# KiCad board C68.kicad_pcb (continued)
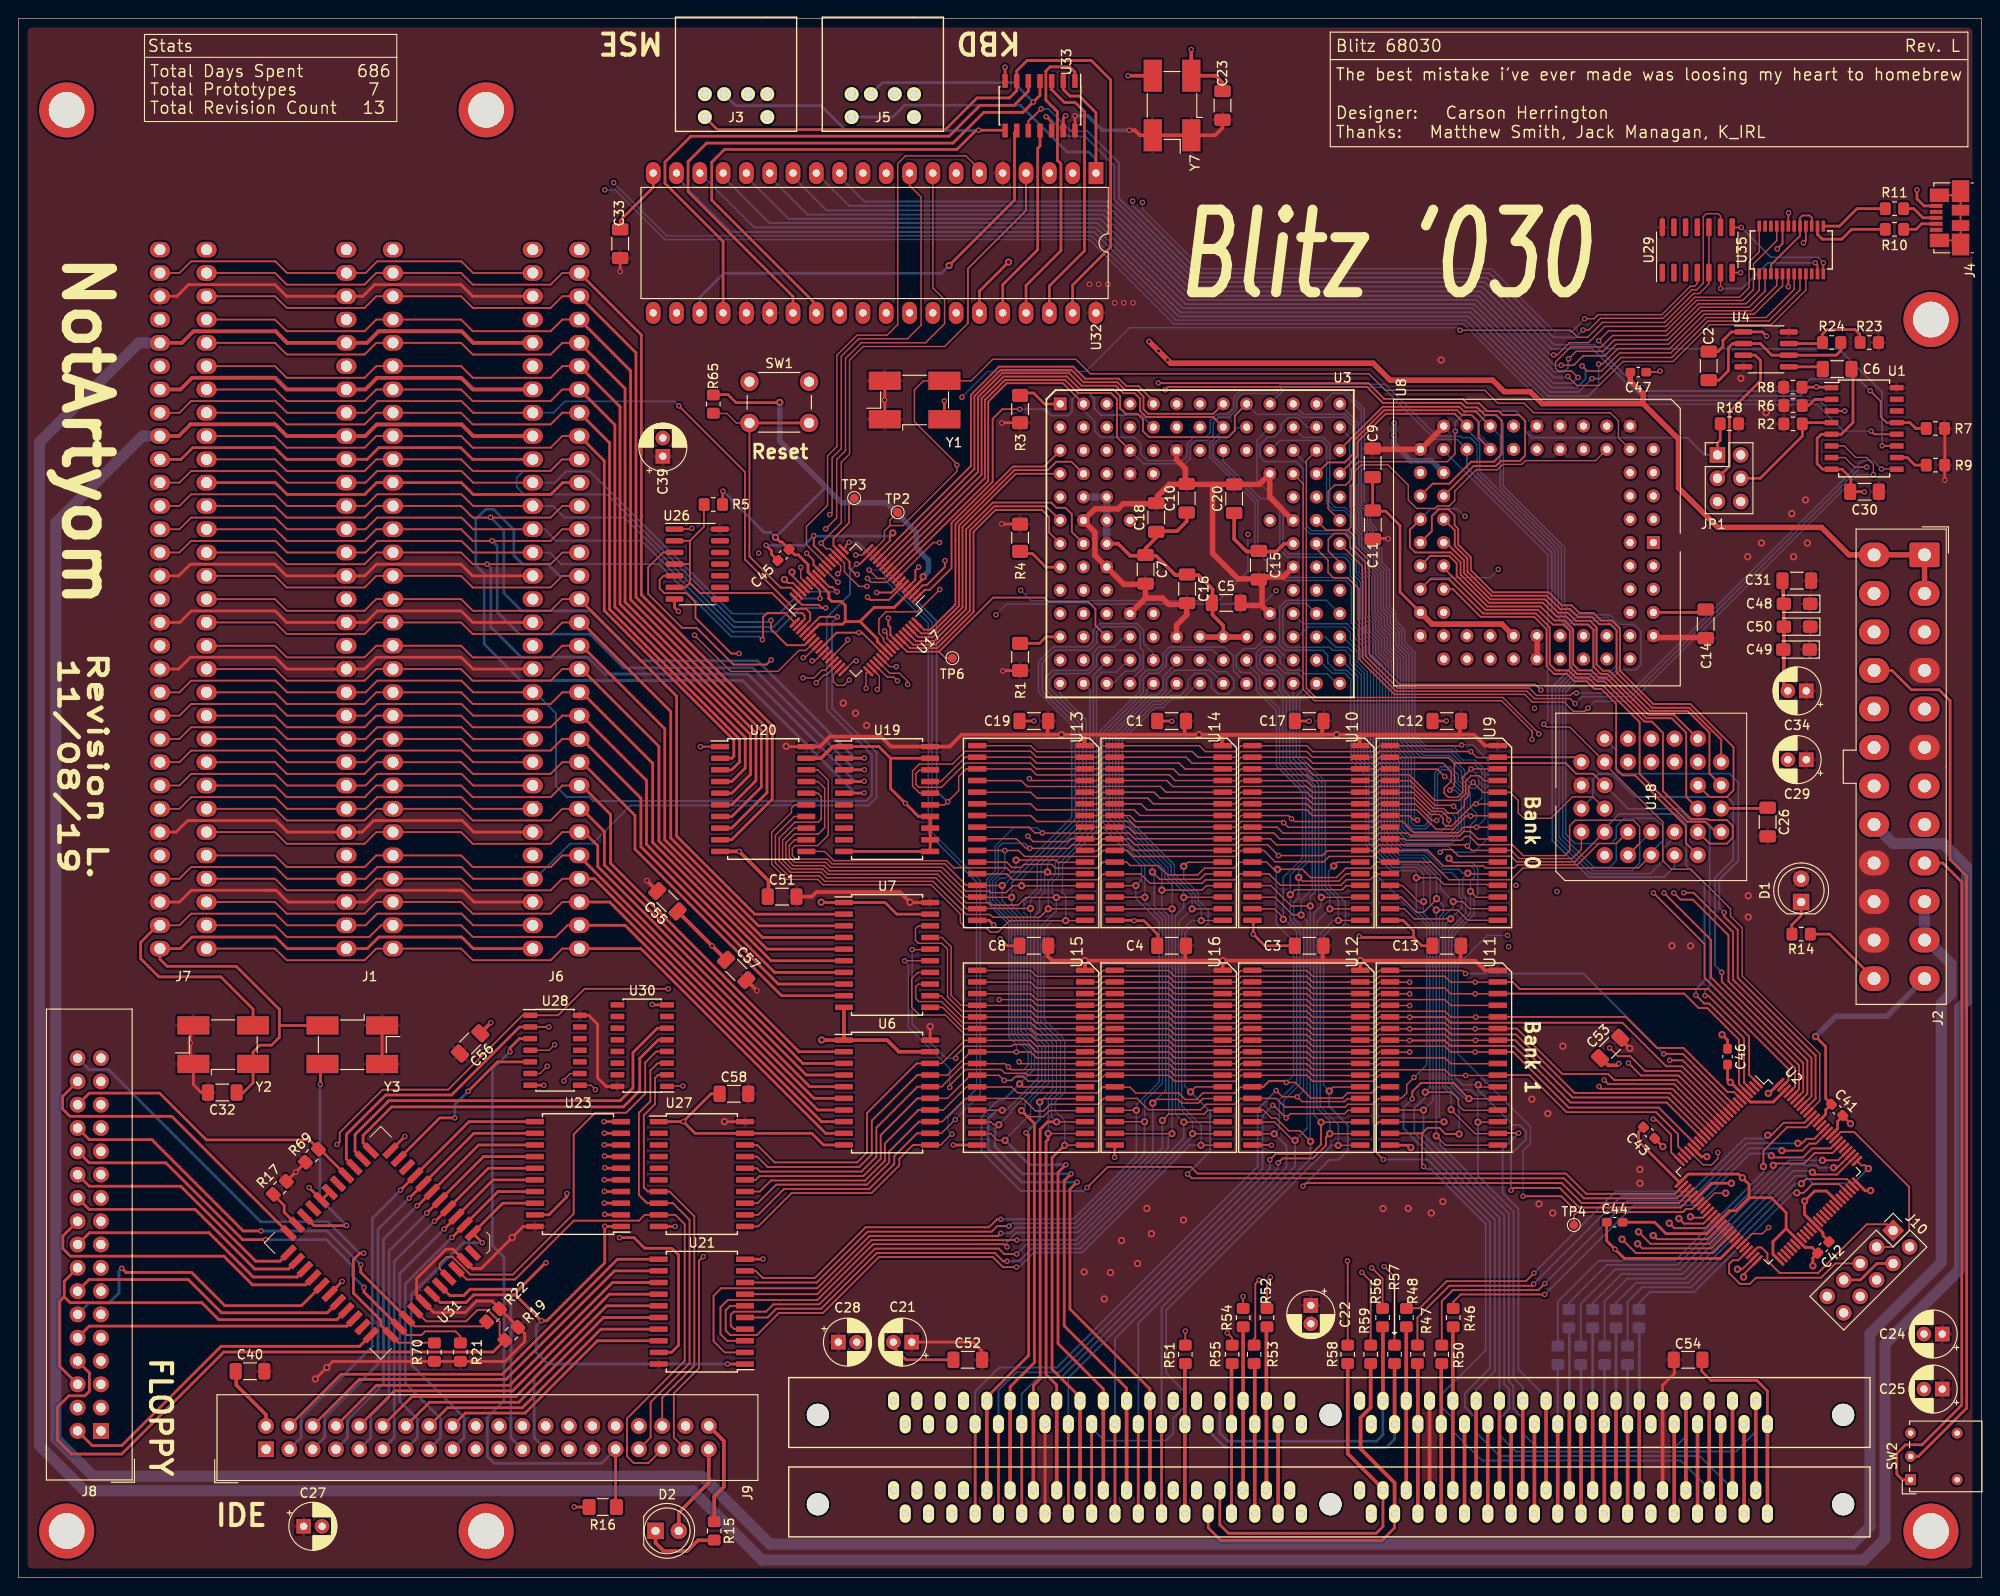
[diagram p0: board, top side]
## Routing (per net, layer and track width the routed paths; a pad name or vN(x,y) marks a point on that pad's centre or on a via; arc(x,y) is an arc through that point) (continued)
  Bottom w0.15: v1(111.32,51.85) 112.73,53.26 112.73,58.29 110.71,60.31 110.71,72.1 111.31,72.7 111.31,74.15 111.86,74.7 111.86,76.62 v1(112.18,76.94) 112.18,77.87 116.41,82.1 116.41,93.5 113.54,96.37 113.54,97.47 ; v2(157.68,115.7) 156.85,116.53 153.96,116.53 U8.33
  Bottom w0.2: v2(172.25,132.3) 172.25,129.95 171.11,128.81 166.74,128.81 158.05,137.5 126.47,137.5 117.26,146.71 77.76,146.71 71.74,152.73 U32.19
  Bottom w0.3: v1(111.32,51.85) 111.32,50 v2(109.82,48.5)
/IA0: length 79.9
  Top w0.2: J1.A31 48.26,68.58 49.53,67.31 58.02,67.31 59.29,68.58 J6.A31 ; 40.87,68.58 39.01,68.58 37.74,67.31 29.25,67.31 27.98,68.58 20.55,68.58
  Top w0.3: U6.9 88,48.44 67.86,68.58 J6.A31
/IA1: length 80.4
  Top w0.2: J6.A30 59.85,71.12 58.58,69.85 49.53,69.85 48.26,71.12 J1.A30 39.53,71.12 38.24,69.83 29.27,69.83 27.98,71.12 20.55,71.12
  Top w0.3: J6.A30 66.14,71.12 87.54,49.72 89.99,49.72
/IA2: length 81
  Top w0.2: J1.A29 48.26,73.66 49.53,72.39 58.02,72.39 59.29,73.66 J6.A29 ; 20.55,73.66 27.98,73.66 29.25,72.39 37.74,72.39 39.01,73.66 40.87,73.66
  Top w0.3: U6.7 87.13,50.99 64.46,73.66 J6.A29
/IA3: length 81.5
  Top w0.2: J6.A28 59.29,76.2 58.02,74.93 49.53,74.93 48.26,76.2 J1.A28 ; 20.55,76.2 27.98,76.2 29.25,74.93 37.74,74.93 39.01,76.2 40.87,76.2
  Top w0.3: J6.A28 62.78,76.2 86.72,52.25 U6.6
/IA4: length 82.1
  Top w0.2: J1.A27 48.26,78.74 49.53,77.47 58.02,77.47 59.29,78.74 J6.A27 ; 40.87,78.74 39.01,78.74 37.74,77.47 29.25,77.47 27.98,78.74 20.55,78.74
  Top w0.3: 61.11,78.76 61.11,78.68 86.26,53.53 U6.5
/IA5: length 83.9
  Top w0.2: J1.A26 48.26,81.28 49.53,80.01 58.02,80.01 59.29,81.28 J6.A26 ; 40.87,81.28 39.01,81.28 37.74,80.01 29.25,80.01 27.98,81.28 20.55,81.28
  Top w0.3: U6.4 85.9,54.79 63.16,77.53 63.16,79.79 61.67,81.28 J6.A26
/IA6: length 85.2
  Top w0.2: J1.A25 48.26,83.82 49.53,82.55 58.02,82.55 59.29,83.82 J6.A25 ; 40.87,83.82 39.01,83.82 37.74,82.55 29.25,82.55 27.98,83.82 20.55,83.82
  Top w0.3: U6.3 85.5,56.06 63.88,77.69 63.88,81.34 61.4,83.82 J6.A25
/IA7: length 86.7
  Top w0.2: J1.A24 48.26,86.36 49.53,85.09 58.02,85.09 59.29,86.36 J6.A24 ; 20.55,86.36 27.98,86.36 29.25,85.09 37.74,85.09 39.01,86.36 40.87,86.36
  Top w0.3: 89.99,57.34 85.09,57.34 64.56,77.87 64.56,83.2 61.4,86.36 J6.A24
/IA8: length 84.3
  Top w0.2: J1.A23 48.26,88.9 49.53,87.63 58.02,87.63 59.29,88.9 J6.A23 ; 40.87,88.9 39.01,88.9 37.74,87.63 29.25,87.63 27.98,88.9 20.55,88.9
  Top w0.3: J6.A23 61.4,88.9 67.21,83.09 67.21,79.43 83.19,63.44 U7.9
/IA9: length 88
  Top w0.2: J6.A22 59.29,91.44 58.02,90.17 49.53,90.17 48.26,91.44 J1.A22 ; 20.55,91.44 27.98,91.44 29.25,90.17 37.74,90.17 39.01,91.44 40.87,91.44
  Top w0.3: J6.A22 61.4,91.44 67.86,84.98 67.86,79.68 82.82,64.72 89.99,64.72 ; 61.16,91.44 61.92,91.44 ; 20.51,91.42 21.27,91.42 ; 40.87,91.44 41.63,91.44
/IA10: length 87.3
  Top w0.2: J1.A21 48.26,93.98 49.53,92.71 58.02,92.71 59.29,93.98 J6.A21 ; 20.55,93.98 27.98,93.98 29.25,92.71 37.74,92.71 39.01,93.98 40.87,93.98
  Top w0.3: U7.7 82.43,65.99 68.47,79.94 68.47,86.91 61.4,93.98 J6.A21
/IA11: length 88.8
  Top w0.2: 20.55,96.52 27.98,96.52 29.25,95.25 37.74,95.25 39.01,96.52 40.87,96.52 ; J1.A20 48.26,96.52 49.53,95.25 58.02,95.25 59.29,96.52 J6.A20
  Top w0.3: J6.A20 61.4,96.52 69.14,88.78 69.14,80.16 82.04,67.25 U7.6
/IA12: length 90.3
  Top w0.2: J1.A19 48.26,99.06 49.53,97.79 58.02,97.79 59.29,99.06 J6.A19 ; 20.55,99.06 27.98,99.06 29.25,97.79 37.74,97.79 39.01,99.06 40.87,99.06
  Top w0.3: U7.5 81.59,68.53 69.82,80.3 69.82,90.64 61.4,99.06 J6.A19
/IA13: length 91.8
  Top w0.2: J1.A18 48.26,101.6 49.53,100.33 58.02,100.33 59.29,101.6 J6.A18 ; 20.55,101.6 27.98,101.6 29.25,100.33 37.74,100.33 39.01,101.6 40.87,101.6
  Top w0.3: J6.A18 61.4,101.6 70.46,92.54 70.46,80.45 81.12,69.79 U7.4
/IA14: length 93.4
  Top w0.2: J6.A17 59.29,104.14 58.02,102.87 49.53,102.87 48.26,104.14 J1.A17 ; 40.87,104.14 39.01,104.14 37.74,102.87 29.25,102.87 27.98,104.14 20.55,104.14
  Top w0.3: U7.3 80.69,71.06 71.11,80.64 71.11,94.43 61.4,104.14 J6.A17
/IA15: length 94.7
  Top w0.2: J1.A16 48.26,106.68 49.53,105.41 58.02,105.41 59.29,106.68 J6.A16 ; 20.55,106.68 27.98,106.68 29.25,105.41 37.74,105.41 39.01,106.68 40.87,106.68
  Top w0.3: 89.99,72.34 80.26,72.34 71.75,80.85 71.75,96.09 61.16,106.68
/IA16: length 123.5
  Top w0.2: J1.A15 48.26,109.22 49.53,107.95 58.02,107.95 59.29,109.22 J6.A15 ; 20.55,109.22 27.98,109.22 29.25,107.95 37.74,107.95 39.01,109.22 40.87,109.22
  Top w0.3: v2(92.2,85.56) 92.16,85.53 U19.5
  Bottom w0.3: v2(92.2,85.56) 91.18,85.56 78.94,97.8 54.77,97.8 50.78,101.79 50.78,109.45 49.85,110.38 49.85,115.39 50.93,116.47 51.81,116.47 54.01,114.27 54.01,111.45 54.96,110.5 57.7,110.5 58.98,109.22 J6.A15
/IA17: length 99.6
  Top w0.2: J1.A14 48.26,111.76 49.53,110.49 58.02,110.49 59.29,111.76 J6.A14 ; 20.55,111.76 27.98,111.76 29.25,110.49 37.74,110.49 39.01,111.76 40.87,111.76
  Top w0.3: U19.4 92.16,86.8 v2(92.2,86.83)
  Bottom w0.3: v2(51.09,110.49) 51.49,110.09 51.49,103.66 54.8,100.35 62.1,100.35 63.94,98.52 79.51,98.52 91.2,86.83 v2(92.2,86.83)
/IA18: length 100.1
  Top w0.2: 20.55,114.3 27.98,114.3 29.25,113.03 37.74,113.03 39.01,114.3 40.87,114.3 ; J6.A13 59.29,114.3 58.02,113.03 49.53,113.03 48.26,114.3 J1.A13
  Top w0.3: U19.3 92.21,88.06 v2(92.22,88.08)
  Bottom w0.3: v2(51.64,113.05) 52.18,112.51 52.18,105.3 54.61,102.87 62.3,102.87 65.98,99.19 80.07,99.19 91.18,88.08 v2(92.22,88.08)
/IA19: length 100.6
  Top w0.2: J1.A12 48.26,116.84 49.53,115.57 58.02,115.57 59.29,116.84 J6.A12 ; 20.55,116.84 27.98,116.84 29.25,115.57 37.74,115.57 39.01,116.84 40.87,116.84
  Top w0.3: U19.2 92.19,89.33 v2(92.22,89.36)
  Bottom w0.3: v2(51.48,115.6) 52.91,114.17 52.91,107.35 54.85,105.41 62.31,105.41 67.75,99.97 80.55,99.97 91.16,89.36 v2(92.22,89.36)
/ID0: length 86.2
  Top w0.2: J1.A9 48.26,124.46 49.53,123.19 58.02,123.19 59.29,124.46 J6.A9 ; 20.55,124.46 27.98,124.46 29.25,123.19 37.74,123.19 39.01,124.46 40.87,124.46
  Top w0.3: 61.16,124.46 63.86,121.76 63.86,105.43 77.99,91.3 77.99,89.56 77.76,89.33 U20.2
/ID1: length 90.5
  Top w0.2: J6.A8 59.29,127 58.02,125.73 49.53,125.73 48.26,127 J1.A8 ; 40.87,127 39.01,127 37.74,125.73 29.25,125.73 27.98,127 20.55,127
  Top w0.3: U20.3 77.75,88.06 78.61,88.92 78.61,91.41 64.44,105.58 64.44,123.72 61.16,127
/ID2: length 94.9
  Top w0.2: J1.A7 48.26,129.54 49.53,128.27 58.02,128.27 59.29,129.54 J6.A7 ; 20.55,129.54 27.98,129.54 29.25,128.27 37.74,128.27 39.01,129.54 40.87,129.54
  Top w0.3: 61.16,129.54 65.02,125.68 65.02,105.84 79.23,91.63 79.23,88.26 77.76,86.8 U20.4
/ID3: length 99.1
  Top w0.2: J1.A6 48.26,132.08 49.53,130.81 58.02,130.81 59.29,132.08 J6.A6 ; 40.87,132.08 39.01,132.08 37.74,130.81 29.25,130.81 27.98,132.08 20.55,132.08
  Top w0.3: U20.5 77.76,85.53 79.81,87.57 79.81,91.91 65.58,106.14 65.58,127.66 61.16,132.08
/ID4: length 103.4
  Top w0.2: J1.A5 48.26,134.62 49.53,133.35 58.02,133.35 59.29,134.62 J6.A5 ; 40.87,134.62 39.01,134.62 37.74,133.35 29.25,133.35 27.98,134.62 20.55,134.62
  Top w0.3: U20.6 77.76,84.25 80.4,86.89 80.4,92.1 66.13,106.37 66.13,129.65 61.16,134.62
/ID5: length 107.7
  Top w0.2: J1.A4 48.26,137.16 49.53,135.89 58.02,135.89 59.29,137.16 J6.A4 ; 40.87,137.16 39.01,137.16 37.74,135.89 29.25,135.89 27.98,137.16 20.55,137.16
  Top w0.3: U20.7 77.78,82.98 80.98,86.19 80.98,92.38 66.73,106.63 66.73,131.59 61.16,137.16
/ID6: length 112
  Top w0.2: J1.A3 48.26,139.7 49.53,138.43 58.02,138.43 59.29,139.7 J6.A3 ; 20.55,139.7 27.98,139.7 29.25,138.43 37.74,138.43 39.01,139.7 40.87,139.7
  Top w0.3: 61.16,139.7 67.32,133.54 67.32,106.9 81.6,92.62 81.6,85.57 77.75,81.72 U20.8
/ID7: length 116.6
  Top w0.2: J6.A2 59.29,142.24 58.02,140.97 49.53,140.97 48.26,142.24 J1.A2 ; 20.55,142.24 27.98,142.24 29.25,140.97 37.74,140.97 39.01,142.24 40.87,142.24
  Top w0.3: U20.9 77.75,80.44 82.17,84.87 82.17,92.9 67.9,107.17 67.9,115.86 ; 67.9,115.86 67.9,115.58 ; 67.9,115.86 67.9,135.5 61.16,142.24
/IOA0: length 61.3
  Top w0.2: U31.4 48.88,32.51 54.14,32.51 60.55,38.92 67.65,38.92 68.28,39.56 U27.9 71.6,39.56 72.63,38.53 72.63,23.65 66.35,17.37 66.35,13.22 67.07,12.5 68.68,12.5 J9.35
/IOA1: length 50.2
  Top w0.2: J9.33 68.92,15.28 68.92,19.13 73.16,23.37 73.16,39.01 71.34,40.82 U27.8 68.53,40.82 67.64,41.72 67.64,50.69 68.89,51.94 68.89,55.29 69.69,56.09 U30.3
/IOA2: length 45
  Top w0.2: J9.36 70.18,19.61 73.68,23.11 73.68,39.4 70.99,42.09 U27.7 68.62,42.09 68.18,42.54 68.18,50.41 69.4,51.63 69.4,54.47 69.75,54.82 U30.2
/IOD16: length 47.8
  Top w0.3: U21.11 65.29,34.72 52.76,22.18 35.18,22.18 J9.4
/IOD17: length 44.7
  Top w0.3: J9.6 37.16,21.62 53.15,21.62 64.97,33.44 U21.12
/IOD18: length 41.7
  Top w0.3: U21.13 64.76,32.18 53.56,20.97 39.05,20.97 J9.8
/IOD19: length 38.6
  Top w0.3: U21.14 64.43,30.91 53.89,20.37 40.99,20.37 J9.10
/IOD20: length 35.5
  Top w0.3: J9.12 42.91,19.75 54.24,19.75 64.12,29.63 U21.15
/IOD21: length 32.5
  Top w0.3: J9.14 44.82,19.12 54.54,19.12 63.78,28.37 U21.16
/IOD22: length 29.4
  Top w0.3: U21.17 63.5,27.09 54.93,18.52 46.76,18.52 J9.16
/IOD23: length 26.3
  Top w0.3: J9.18 48.72,17.94 55.23,17.94 63.12,25.82 U21.18
/IOD24: length 39.4
  Top w0.3: U23.18 52.81,40.82 U31.7 49.55,37.55 v2(50.58,36.52)
  Bottom w0.3: J9.17 48.59,15.27 48.59,17.46 42.83,23.22 42.83,30.82 48.53,36.52 v2(50.58,36.52)
/IOD25: length 38.4
  Top w0.3: v2(47.24,37.08) 47.26,37.08 U31.8 52.28,42.09 U23.17
  Bottom w0.3: J9.15 46.04,15.26 46.04,17.34 42.18,21.2 42.18,32.02 v2(47.24,37.08)
/IOD26: length 39.5
  Top w0.3: U23.16 51.75,43.37 U31.9 47.75,39.34 v2(46.42,38.01)
  Bottom w0.3: J9.13 43.5,15.26 43.5,17.29 41.57,19.22 41.57,33.16 v2(46.42,38.01)
/IOD27: length 40.5
  Top w0.3: v2(45.35,38.86) 45.45,38.86 U31.10 51.23,44.63 U23.15
  Bottom w0.3: v2(45.35,38.86) 40.97,34.48 40.97,15.27 J9.11
/IOD28: length 43.1
  Top w0.3: U23.14 50.7,45.91 U31.11 45.94,41.16 v2(44.52,39.74)
  Bottom w0.3: J9.9 38.41,15.25 38.41,17.61 40.4,19.6 40.4,35.62 v2(44.52,39.74)
/IOD29: length 45.8
  Top w0.3: U23.13 50.18,47.18 U31.12 43.55,40.55 v2(43.46,40.55)
  Bottom w0.3: v2(43.46,40.55) 39.8,36.89 39.8,21.16 35.88,17.24 35.88,15.26 J9.7
/IOD30: length 48.4
  Top w0.3: v2(42.6,41.37) 44.16,42.93 U31.13 49.65,48.44 U23.12
  Bottom w0.3: v2(42.6,41.37) 39.2,37.97 39.2,23.26 33.39,17.45 33.39,15.31 J9.5
/IOD31: length 51
  Top w0.3: U23.11 49.12,49.72 U31.14 41.66,42.25 v2(41.66,42.25)
  Bottom w0.3: v2(41.66,42.25) 38.59,39.18 38.59,25.2 30.83,17.44 30.83,15.29 J9.3
/QA0: length 18
  Top w0.4: 176.68,9.27 U5.12
  Bottom w0.3: 176.65,27.22 176.68,27.19 U5.12
/QA1: length 16.5
  Top w0.4: 175.41,6.73 U5.13
  Bottom w0.3: U5.13 175.41,23.21 175.4,23.22
/QA2: length 18
  Top w0.4: 174.14,9.27 U5.14
  Bottom w0.3: 174.15,27.22 174.14,27.22 U5.14
/QA3: length 16.5
  Top w0.4: 172.87,6.73 U5.15
  Bottom w0.3: U5.15 172.87,23.2 172.9,23.22
/QA4: length 18
  Top w0.4: 171.6,9.27 U5.16
  Bottom w0.3: 171.6,27.22 171.6,27.22 U5.16
/QA5: length 16.5
  Top w0.4: 170.33,6.73 U5.17
  Bottom w0.3: U5.17 170.33,23.19 170.3,23.22
/QA6: length 18
  Top w0.4: 169.06,9.27 U5.18
  Bottom w0.3: U5.18 169.06,27.16 169,27.22
/QA7: length 18.1
  Top w0.4: 156.4,27.32 156.36,27.29 U5.28 156.36,9.27 156.4,9.24
/QA8: length 16.6
  Top w0.4: 152.5,23.32 152.55,23.27 U5.31 152.55,6.73
/QA9: length 18.1
  Top w0.4: 151.3,27.32 151.28,27.31 U5.32 151.28,9.27
/QA10: length 16.5
  Top w0.4: 167.79,6.73 U5.19
  Bottom w0.3: 167.8,23.22 167.8,16.74 U5.19
/QA11: length 16.6
  Top w0.4: 155.15,23.32 155.09,23.27 U5.29 155.09,6.73
/RAS0: length 33.7
  Top w0.4: U5.34 148.74,27.28 148.7,27.32
  Bottom w0.3: U5.34 148.74,15.58 148.03,14.87 131.85,14.87 130.96,15.76 U5.44
/RAS1: length 30.4
  Top w0.4: U5.33 150.01,23.31 150,23.32
  Bottom w0.3: U5.45 129.69,16.04 131.55,14.18 149.09,14.18 150.01,15.1 U5.33
/RAS2: length 41.3
  Top w0.3: 130.96,9.27 130.96,5.78 131.9,4.84 148,4.84 148.74,5.58 148.74,9.27
  Top w0.4: 144.9,23.32 144.9,13.52 148.74,9.67 148.74,9.27
/RAS3: length 42.6
  Top w0.3: 150.01,6.73 150.01,5.43 148.64,4.06 131.06,4.06 129.69,5.43 129.69,6.73
  Top w0.4: 150.01,6.73 150.01,10.34 146.3,14.05 146.3,17.45 147.4,18.55 147.4,23.32
_RW0: length 91.4
  Top w0.15: v2(110.04,80.83) 110.62,80.25 114.36,80.25 114.67,80.56 116.27,80.56 ; 146.15,80.54 147.71,80.54 148.34,81.18 151.44,81.18 151.76,80.86 157.05,80.86 157.54,81.35 158.29,81.35 159.11,80.53 160.99,80.53 ; 116.04,80.54 117.59,80.54 118.23,81.18 121.05,81.18 121.68,80.56 U14.24 ; 131.09,80.54 132.65,80.54 133.28,81.18 136.84,81.18 137.48,80.54 146.09,80.54 ; U17.47 88.84,98.44 88.84,97.7 89.26,97.28 89.97,97.28 v2(90.57,97.88)
  In2.Cu w0.15: v2(90.57,97.88) 92.78,95.67 94.12,95.67 106.7,83.1 106.7,78.64 107.97,77.37 109.27,77.37 109.8,77.9 109.8,78.68 109.48,79 109.48,80.27 v2(110.04,80.83)
_RW1: length 109.8
  Top w0.15: 131.09,56.03 132.65,56.03 133.28,56.67 140.44,56.67 141.07,56.03 146.09,56.03 ; 116.27,56.03 109.26,56.03 v2(109.07,56.23) ; 116.04,56.03 117.59,56.03 118.23,56.67 125.39,56.67 126.03,56.03 131.04,56.03 ; U17.45 87.92,98.93 87.56,98.93 86.72,98.09 v2(85.53,98.09) ; 161.15,56.03 156.13,56.03 155.5,56.67 148.34,56.67 147.71,56.03 146.15,56.03
  In2.Cu w0.2: v2(109.07,56.23) 108.7,56.23 106.23,58.7 106.23,68.48 94.86,79.85 94.86,88.38 86.26,96.98 86.26,97.36 v2(85.53,98.09)
AS: length 87
  Top w0.2: v2(101,110.88) 101,110.2 99,108.2 98.6,108.2 U17.2
  In2.Cu w0.15: v2(101,110.88) 102.09,110.88 102.35,111.14 110.72,111.14 112.9,108.96 114.79,108.96 U3.J2 117.43,108.98 122.16,108.98 127.88,114.7 127.88,115.69 129.99,117.8 132.31,117.8 135.93,121.42 150.21,121.42 152.32,119.31 153.46,119.31 154.21,120.06 154.21,122.12 153.93,122.4 153.93,123.59 154.78,124.44 161.12,124.44 161.73,125.05 161.73,126.07 162.37,126.71 163.37,126.71 164.06,126.02 164.06,124.68 162.98,123.6 U8.21
BYTE0: length 145.5
  Top w0.15: 161,53.49 159.37,53.49 v1(159.12,53.73) ; v1(155.93,78.42) 156.37,77.99 160.99,77.99 ; U17.52 94.98,98.6 96.05,98.6 96.93,97.72 v2(96.93,97.38)
  Top w0.2: U2.30 181.19,40.35 170.15,40.35 168.02,42.48 162.95,42.48 v2(162.7,42.23)
  In2.Cu w0.15: v2(96.93,97.38) 96.93,96.37 108.78,84.53 112.18,84.53 116.1,80.6 141.57,80.6 143.75,78.42 v1(155.93,78.42)
  Bottom w0.15: v1(155.93,78.42) 156.41,77.94 158.46,77.94 159.08,77.32 159.08,74.44 158.66,74.02 158.66,72.29 156.55,70.18 156.55,54.61 157.43,53.73 v1(159.12,53.73)
  Bottom w0.2: v2(162.7,42.23) 162.7,46.16 164.34,47.8 164.34,48.67 163.66,49.35 162.93,49.35 159.12,53.16 v1(159.12,53.73)
BYTE1: length 150.5
  Top w0.15: v1(142.88,53.06) 143.31,53.49 146,53.49 ; v1(143.38,77.6) 143.78,78 145.99,78 ; v2(95.82,97.78) 95.43,98.17 94.7,98.17 U17.51
  Top w0.2: U2.29 180.99,40.85 170.4,40.85 168.23,43.02 140.36,43.02 v2(140.03,42.69)
  In2.Cu w0.15: v2(95.82,97.78) 95.82,96.88 108.65,84.05 112.03,84.05 115.88,80.2 140.78,80.2 v1(143.38,77.6)
  Bottom w0.15: v1(143.38,77.6) 142.81,77.03 142.81,75.46 144.65,73.62 144.65,71.36 144.23,70.94 143.29,70.94 142.27,69.92 142.27,53.67 v1(142.88,53.06)
  Bottom w0.2: v2(140.03,42.69) 142.9,45.56 143.91,45.56 144.91,46.56 144.91,49.32 142.88,51.35 v1(142.88,53.06)
BYTE2: length 146.4
  Top w0.15: 130.99,77.99 127.44,77.99 v1(127.02,77.56) ; 130.99,53.5 128.31,53.5 v1(127.77,52.96) ; v2(93.62,96.83) 93.85,97.05 93.85,98.32 U17.50
  Top w0.2: v2(127.44,44) 127.9,43.54 168.46,43.54 170.65,41.35 180.78,41.35 U2.28
  In2.Cu w0.15: v1(127.02,77.56) 125.5,79.07 115.18,79.07 111.47,82.78 108.12,82.78 94.07,96.83 v2(93.62,96.83)
  Bottom w0.15: v1(127.77,52.96) 127.16,53.57 127.16,70.32 127.77,70.93 129.25,70.93 129.69,71.37 129.69,72.74 128.61,73.82 128.61,74.64 127.02,76.23 v1(127.02,77.56)
  Bottom w0.2: v1(127.77,52.96) 129.9,50.83 129.9,46.48 127.44,44.02 v2(127.44,44)
BYTE3: length 161.1
  Top w0.15: v1(108.75,78.23) 113.1,78.23 113.34,77.99 116,77.99 ; 116.27,53.5 109.47,53.5 v1(109.14,53.83) ; U17.49 92.4,98.58 v2(92.4,96.95)
  Top w0.2: v2(116.49,42.53) 118.74,44.78 127.82,44.78 128.54,44.06 168.69,44.06 170.9,41.85 180.57,41.85 U2.27
  In2.Cu w0.15: v1(108.75,78.23) 108.75,81.58 94.23,96.1 93.25,96.1 v2(92.4,96.95)
  Bottom w0.15: v1(109.14,53.83) 110.75,55.44 110.75,57.64 108.93,59.46 108.93,71.62 106.52,74.03 106.52,75.78 106.98,76.24 107.59,76.24 108.75,77.4 v1(108.75,78.23)
  Bottom w0.2: v2(116.49,42.53) 116.11,42.15 109.28,42.15 104.99,46.44 104.99,50.25 106.8,52.06 107.37,52.06 v1(109.14,53.83)
CDIS: length 57.9
  Top w0.15: v2(89.34,108.53) 89.29,108.53 U17.23
  In1.Cu w0.15: v2(137.1,107.6) 138.4,108.9 140.21,108.9 U3.H12 ; v2(106.55,104.97) 106.28,105.25 96.05,105.25 95.15,106.15 92.25,106.15 89.87,108.53 v2(89.34,108.53)
  Bottom w0.15: v2(137.1,107.6) 135.65,106.15 107.72,106.15 v2(106.55,104.97)
CLK: length 342.1
  Top w0.15: TP2.1 95,115.3 95,114.7 ; U8.11 174.41,124.28 174.41,126.11 173.52,127 165.17,127 164.13,128.04 161.25,128.04 159.84,129.45 149,129.45 147.2,131.25 116.85,131.25 115.26,132.84 106.21,132.84 103.86,130.49 Y1.3 98.66,130.49 97.67,129.5 97.67,126.03 102.3,121.4 v2(102.3,121.3) 102.3,120.6 96.4,114.7 95,114.7 ; U2.22 183.64,45 184.55,45 185.25,45.7 v2(185.25,46.35) ; 95,114.7 94.4,114.1 94.4,113.19 U17.15
  Top w0.2: 15.47,96.52 17.56,96.52 18.83,97.79 28.02,97.79 29.29,96.52 35.79,96.52 ; J1.B20 37.84,96.52 39.11,97.79 48.3,97.79 49.57,96.52 J6.B20 ; v2(91.38,110.5) 91.71,110.5 U17.15
  In1.Cu w0.15: v2(185.25,46.35) 183.05,48.55 183.05,55.65 178.14,60.56 173.24,60.56 166.79,67.01 166.79,84.73 164.25,87.27 164.25,93.76 v2(165.26,94.77)
  In1.Cu w0.2: U3.E1 112.86,118.51 107.86,118.51 105.07,121.3 v2(102.3,121.3)
  In2.Cu w0.15: v2(165.26,94.77) 164.22,95.81 164.22,110.8 175.68,122.26 U8.11
  Bottom w0.2: J6.B20 56.32,96.52 58.6,94.24 58.6,86.27 59.76,85.11 62.22,85.11 62.66,84.67 92.44,84.67 93.02,85.25 93.02,89.72 88.12,94.61 88.12,104.7 90.64,107.22 90.64,109.77 v2(91.38,110.5)
DRAM_CS: length 151.5
  Top w0.15: v2(86.53,99.95) 86.82,99.95 U17.42
  Top w0.2: 169.9,39.85 169.55,39.5 TP4.1 ; 169.9,39.85 181.45,39.85 181.8,40.2 182.46,40.2 U2.32 ; 169.9,39.85 168.17,41.58 v2(164.01,41.58)
  In2.Cu w0.15: v2(86.53,99.95) 87.47,99.95 92.18,95.25 93.99,95.25 106.27,82.97 106.27,78.5 107.83,76.94 109.61,76.94 111.34,78.68 124.62,78.68 126.92,76.37 138.41,76.37 139.5,75.27 143.06,75.27 148.01,70.32 161.63,70.32 161.93,70.02 v2(162.32,70.02)
  Bottom w0.15: v2(164.01,41.58) 164.01,46.53 164.82,47.34 164.82,49.18 156.89,57.11 156.89,66.8 160.11,70.02 v2(162.32,70.02)
DRW: length 16.4
  Top w0.4: 127.2,23.32 127.15,23.28 U5.47 U24.47
DS: length 89.8
  Top w0.2: v2(98.12,110.17) 97.78,109.83 97.78,108.79 U17.4
  In2.Cu w0.15: U8.20 161.55,124.12 154.95,124.12 154.24,123.41 154.24,122.55 155.03,121.76 155.97,121.76 156.68,121.05 156.68,117.5 156,116.82 151.21,116.82 148.79,119.24 138.01,119.24 136.2,117.43 130.13,117.43 128.24,115.54 128.24,114.57 120.07,106.4 117.39,106.4 U3.K2 114.75,106.46 113.14,106.46 112.37,107.23 112.37,109.01 110.62,110.76 102.53,110.76 101.94,110.17 v2(98.12,110.17)
DSACK0: length 111.2
  Top w0.2: U3.F1 112.03,116.8 106.36,116.8 103.71,114.15 103.71,105.42 100.01,101.72 97.52,101.72 U17.60 ; U8.31 154.16,119.27 155.97,119.27 158.36,121.66 160.84,121.66 161.68,122.5 161.68,126.16 161.08,126.76 159.85,126.76 159.03,127.58 157.76,127.58 157.26,128.08 148.73,128.08 146.99,129.82 125.32,129.82 v2(125,129.5)
  In2.Cu w0.2: U3.F1 111.08,117.75 111.08,128.15 113.14,130.21 123.04,130.21 123.75,129.5 v2(125,129.5)
DSACK1: length 123.8
  Top w0.2: U17.61 97.83,102.11 99.82,102.11 103.3,105.59 103.3,114.29 106.22,117.21 112.58,117.21 113.15,116.64 114.14,116.64 114.83,115.95 114.83,114 U3.G2 ; U8.32 158.62,121.19 161.03,121.19 161.59,121.75 163.66,121.75 164.24,122.33 164.24,126.11 163.59,126.76 161.78,126.76 161.37,127.17 160.1,127.17 159.24,128.03 157.93,128.03 157.45,128.51 148.89,128.51 147.17,130.23 124.27,130.23 v2(124.25,130.25)
  In2.Cu w0.2: U3.G2 114.81,114.02 113.07,114.02 110.61,116.48 110.61,128.31 112.95,130.65 123.85,130.65 v2(124.25,130.25)
DTACK_BUS: length 29.8
  Top w0.2: 73.2,113.05 73.19,113.04 U26.2 ; 73.2,113.05 74.72,114.58 74.72,117 ; 73.2,113.05 73.2,110.5 ; U26.4 73.2,110.5 ; 73.2,108.45 74.3,107.35 82.15,107.35 84.35,105.15 85.45,105.15 85.7,104.9 85.7,104.49 U17.34 ; 73.2,108.45 72.71,107.96 U26.6 ; 73.2,108.45 73.2,110.5
ECS: length 45
  Top w0.2: v2(91.43,109.38) 91.28,109.38 90.6,110.05 90.6,110.76 U17.18 88.85,112.51 88.85,113.3 90.55,115 90.55,117.15 TP3.1
  In2.Cu w0.2: U3.M2 115.44,100.03 114.23,98.82 113,98.82 112.33,99.49 112.33,101.25 107.72,105.86 97.36,105.86 95.45,103.95 92.99,103.95 91.18,105.77 91.18,108.55 91.43,108.8 v2(91.43,109.38)
FC0: length 32.3
  Top w0.2: U17.63 98.41,102.95 99.54,102.95 102.53,105.94 102.53,114.71 108.57,120.75 112.22,120.75 113.13,121.66 114.79,121.66 U3.D2
FC1: length 29.2
  Top w0.2: U17.64 98.72,103.35 99.4,103.35 102.14,106.09 102.14,114.86 108.42,121.14 111.81,121.14 U3.C1
FC2: length 29.2
  Top w0.2: U3.D1 108.73,120.35 102.91,114.53 102.91,105.77 99.67,102.53 98.12,102.53 U17.62
FLOPPY: length 71.7
  Top w0.15: U17.20 89.64,110.3 89.64,109.77 v2(89.32,109.45) ; v2(72.44,53.6) 70.75,53.6 U30.1
  In2.Cu w0.15: v2(89.32,109.45) 87.69,111.08 84.62,111.08 75.16,101.61 75.16,90.35 73.9,89.09 73.9,55.06 v2(72.44,53.6)
FPU: length 81.1
  Top w0.15: v2(94.43,103.2) 94.68,102.95 94.68,102.44 U17.57
  In2.Cu w0.15: v2(94.43,103.2) 94.18,103.45 92.9,103.45 90.72,105.62 90.72,109.67 90.45,109.95 90.45,111.7 90.93,112.17 91.65,112.17 91.82,112 110.93,112 111.29,111.64 115.39,111.64 115.59,111.44 124.13,111.44 127.54,114.85 127.54,115.81 129.89,118.16 132.17,118.16 135.79,121.78 151.51,121.78 U8.29
FTDI_CS: length 128
  Top w0.15: v2(157.15,136) 169.2,136 169.98,135.22 171.04,135.22 172.66,136.85 179.45,136.85 182.6,140 183.23,140 184.27,141.05 U29.5 U29.10 ; U17.56 94.3,102.11 94.3,102.45 93.8,102.95 93.8,104.53 94.57,105.3 98,105.3 v2(100.43,107.72)
  In1.Cu w0.15: v2(102.85,128.7) 102.85,125.95 99.6,122.7 99.6,110.4 100.43,109.58 v2(100.43,107.72)
  Bottom w0.15: v2(157.15,136) 156.88,136.28 121.12,136.28 116.35,131.5 105.65,131.5 v2(102.85,128.7)
HALT: length 27
  Top w0.15: U17.16 92,111.5 v2(91.28,111.5)
  In2.Cu w0.2: v2(91.28,111.5) 91.31,111.53 110.86,111.53 111.11,111.28 115.01,111.28 U3.H2
I_DIR: length 31.6
  Top w0.2: U20.1 74.35,90.61 v2(74.35,90.6) ; U17.24 86.68,110.44 86.68,110.92 v2(85.93,111.67)
  In2.Cu w0.2: v2(85.93,111.67) 84.26,111.67 74.35,101.76 v2(74.35,90.6)
IDE0: length 150.3
  Top w0.15: U17.7 99.72,112.85 v2(100.4,112.85)
  Top w0.2: v2(74.66,35) 74.19,34.53 74.19,22.83 71.45,20.09 71.45,15.27 J9.37
  In2.Cu w0.15: v2(100.4,112.85) 100.07,112.53 92.05,112.53 89.47,115.1 85.35,115.1 75.21,104.96 73.56,104.96 72.11,103.51 72.11,67.66 70.25,65.8 70.25,61.45 58.8,50 58.8,40.04 63.54,35.3 74.36,35.3 v2(74.66,35)
IDE1: length 97.9
  Top w0.15: v2(85.55,100.3) 85.75,100.3 U17.40
  In2.Cu w0.15: v2(85.55,100.3) 84.45,101.4 78.15,101.4 75.57,98.83 75.57,90.2 74.3,88.92 74.3,36.43 75.3,35.43 75.3,29.28 73.65,27.62 73.65,17.47 J9.38
IO_CS: length 115.9
  Top w0.15: U17.39 85.84,101.09 85.09,101.09 82.8,98.8 77.65,98.8 v2(73.7,102.75)
  Top w0.3: v2(65.52,37.07) 67.11,37.07 68.27,35.91 71.23,35.91 71.96,35.18 71.96,25.33 71.19,24.56 U21.19 ; 59.79,41.9 59.79,41.52 57.82,39.56 U23.19
  In2.Cu w0.15: v2(65.52,37.07) 65.52,37.83 64.38,38.97 61.26,38.97 59.79,40.44 v2(59.79,41.88) 59.79,49.14 73.47,62.82 73.47,102.52 v2(73.7,102.75)
IPL0: length 90.7
  Top w0.15: 204.69,120.9 U1.9 204.71,120.88 v2(203.07,120.88) ; v2(169.84,96.45) 169.42,96.45 169.15,96.18 165.5,96.18 164.69,96.99 150.36,96.99 146.84,100.51 146.84,110.68 145.18,112.34 145.18,113.29 144.63,113.84 143.43,113.84 142.78,113.19 142.78,111.93 144.04,110.67 U3.H13
  Bottom w0.15: v2(169.84,96.45) 175.65,96.45 201,121.8 202.15,121.8 v2(203.07,120.88)
IPL1: length 85.5
  Top w0.15: 197.7,122.05 U1.7 199.11,122.11 200.15,121.08 v2(201.48,121.08) ; v2(169.69,95.3) 169.15,95.84 165.24,95.84 164.44,96.64 150.17,96.64 146.5,100.31 146.5,110.27 U3.G13
  Bottom w0.15: v2(169.69,95.3) 170.44,96.05 175.77,96.05 200.8,121.08 v2(201.48,121.08)
IPL2: length 91
  Top w0.15: v2(171.09,94.8) 170.74,94.45 169.5,94.45 168.49,95.46 165.02,95.46 164.18,96.3 149.98,96.3 146.13,100.15 146.13,107.8 144.95,108.98 143.39,108.98 142.76,109.61 142.76,110.9 141.5,112.16 U3.G12 ; U1.6 199.01,123.39 200.27,122.12 201.45,122.12 202.2,121.38 v2(202.2,120.25)
  Bottom w0.15: v2(171.09,94.8) 171.84,95.55 175.85,95.55 200.55,120.25 v2(202.2,120.25)
IRQ_FLOPPY: length 258.1
  Top w0.15: U28.6 56.86,54.96 v2(57.65,55.75)
  Top w0.2: v2(199.07,127.2) 197.64,127.2 U1.3
  In2.Cu w0.15: v2(57.65,55.75) 57.65,57.71 49.33,66.03 49.33,142.9 58.51,152.08 v2(64.89,152.08)
  Bottom w0.15: v2(64.89,152.08) 70.69,146.28 116.98,146.28 126.16,137.1 157.75,137.1 166.5,128.35 196.31,128.35 197.46,127.2 v2(199.07,127.2)
IRQ_FTDI: length 67.8
  Top w0.15: v2(172.25,134.85) 173.32,135.93 179.6,135.93 182.93,139.25 187.95,139.25 189.12,140.43 189.12,143.22 191.66,145.76 U35.21
  Top w0.2: U1.11 203.17,123.39 v2(203.15,123.4)
  Bottom w0.2: v2(203.15,123.4) 203.15,129.25 198.43,133.97 173.12,133.97 v2(172.25,134.85)
